# Altium PCB 2-quilter-output.PcbDoc (part 13 of 26)
Units mil, origin at the board's own origin, x right, y up, seen from the top; angles counter-clockwise.
Board outline 4130.55 x 4250 mil, 8 copper layers (L1, Ground L2, L3, Power L4, Ground L5, L6, Ground L7, L8), stack 62.985 mil thick; 591 components, 494 nets, 2245 pads, 1508 vias.
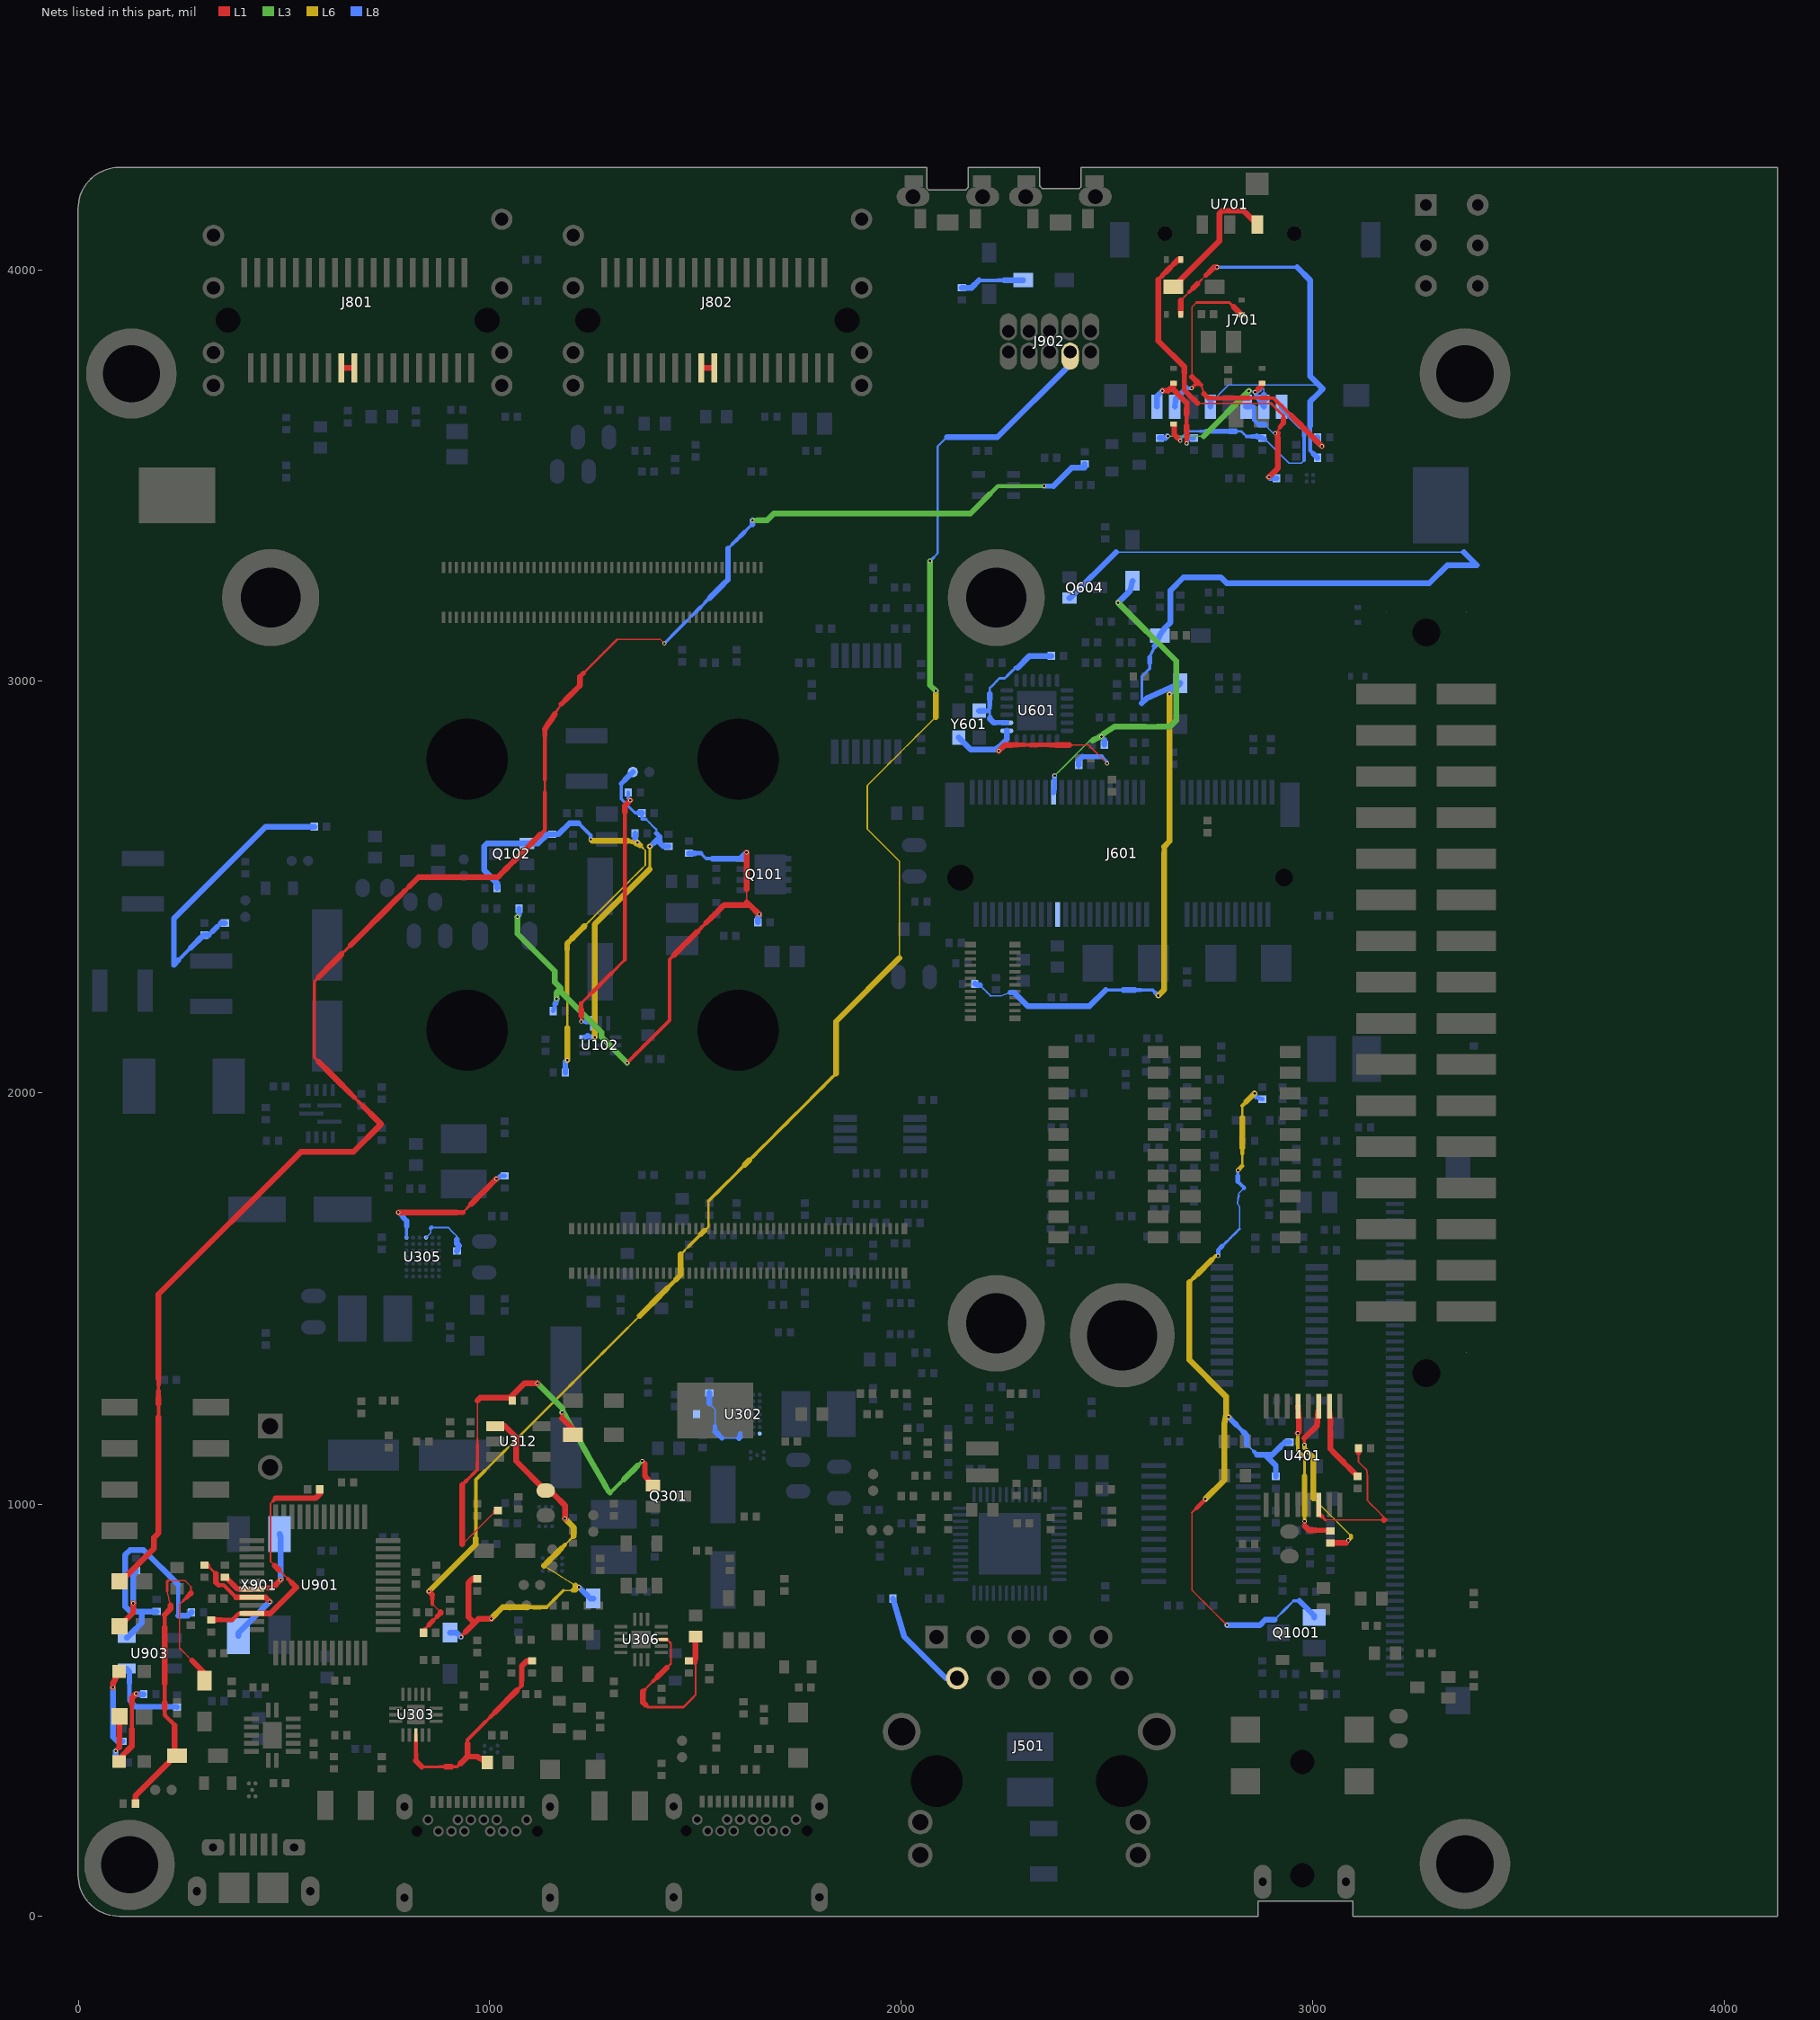
[diagram p19: the nets of this part, all layers, seen from the top]

## Via types
v1: diameter 9.85, hole 5.91, L1 to L8, tented both sides, 1508 vias

## Nets (pads, with @x,y where several pads share a name; then routed paths per layer and width w, separated by ;. In a path a pad name is that pad's centre, name@x,y a point inside that pad or via, vN(x,y) a via of type N, cw(c..) or ccw(c..) an arc to the next point about the centre after c; other vN are vias at no path point) (continued)
NetC118_2: C118.2 R110.2 R111.1 U102.3 | length 841.5
  L6 w6.9: 1389.04,2543.58 1389.04,2557.34 1389.04,2571.09 1389.04,2584.85 v1(1389.04,2598.61)
  L6 w14.05: v1(1255.18,2135.41) 1255.18,2409.72 1389.04,2543.58
  L8 w4.85: 1379.38,2665.14 1388.46,2656.06 1396.94,2647.58 1405.42,2639.1 1405.42,2630.49
  L8 w6.9: 1319.96,2751.34 1319.96,2738.86 1319.96,2726.37 1319.96,2713.88 1328.44,2705.4 1336.92,2696.92 1345.4,2688.44 1353.88,2679.96 C118.2@1361.02,2679.96
  L8 w7.92: C118.2@1370.02,2679.96 1370.02,2665.14 1379.38,2665.14
  L8 w10.99: v1(1389.04,2598.61) v1@1390.5,2598.61
  L8 w12.01: U102.3@1231.24,2135.04 U102.3@1237.54,2138.79 ; 1319.96,2751.34 1329.36,2760.74 ; v1@1390.5,2598.61 1398.3,2606.41 ; 1405.42,2630.49 1413.9,2622.01 ; 1406.1,2614.21 1413.9,2622.01 ; 1413.9,2610.4 1413.9,2622.01
  L8 w14.05: U102.3@1237.54,2138.79 1240.93,2135.41 v1(1255.18,2135.41) ; 1329.36,2760.74 1338.76,2770.15 R111.1@1348.16,2779.55 ; C118.2@1361.02,2679.96 C118.2@1370.02,2679.96 ; 1398.3,2606.41 1406.1,2614.21 ; 1413.9,2610.4 1413.9,2607.26 1422.39,2598.78 R110.2@1434.54,2598.78
NetC122_1: C122.1 U102.4 | length 637.5
  L1 w6.9: 1222.49,2217.14 1233.13,2227.78 1243.77,2238.42 ; 1307.6,2302.25 1318.24,2312.89 1328.88,2323.53
  L1 w7.92: v1(1222.49,2172.82) 1222.49,2187.6 ; 1296.96,2291.61 1307.6,2302.25
  L1 w9.96: 1243.77,2238.42 1254.41,2249.06 1265.05,2259.7 1275.69,2270.33 1286.32,2280.97 1296.96,2291.61 ; 1328.88,2323.53 1328.88,2339.12 1328.88,2354.71 1328.88,2370.3 1328.88,2385.89 1328.88,2401.48 1328.88,2417.08 1328.88,2432.67 1328.88,2448.26 1328.88,2463.85 1328.88,2479.44 1328.88,2495.03 1328.88,2510.62 1328.88,2526.21 1328.88,2541.8 1328.88,2557.39 1328.88,2572.98 1328.88,2588.57 1328.88,2604.16 1328.88,2619.75 1328.88,2635.34 1328.88,2650.93 1328.88,2666.53 1328.88,2682.12
  L1 w10.99: 1222.49,2202.37 1222.49,2217.14
  L1 w14.05: 1222.49,2187.6 1222.49,2202.37 ; 1328.88,2682.12 1328.88,2697.71 v1(1341.9,2710.72)
  L8 w8.94: v1(1222.49,2172.82) 1234.53,2172.83 ; C122.1@1336.83,2729.76 1336.83,2715.79 v1(1341.9,2710.72)
  L8 w14.05: 1234.53,2172.83 1246.57,2172.83 U102.4@1248.96,2168.5
NetC138_2: C138.2 C159.2 Q101.4 R125.2 R129.1 | length 1429
  L1 w3.5: 1624.27,2464.35 1624.27,2479.34 1624.27,2494.33
  L1 w7.92: 1437.4,2176.27 1437.4,2191.06 1437.4,2205.86 1437.4,2220.65 1437.4,2235.45 1437.4,2250.24 1437.4,2265.04 1437.4,2279.83 1437.4,2294.63 1437.4,2309.42 1437.4,2324.22 1448.55,2335.37 ; 1515.45,2402.27 1526.28,2413.09
  L1 w8.94: v1(1334.16,2073.02) 1344.49,2083.35 1354.81,2093.67 1365.13,2104 1375.46,2114.32 1385.78,2124.64 1396.11,2134.97 1406.43,2145.29 1416.76,2155.62 1427.08,2165.94 1437.4,2176.27
  L1 w9.96: 1504.3,2391.12 1515.45,2402.27
  L1 w12.01: 1624.27,2464.35 1632.23,2456.38
  L1 w13.03: 1526.28,2413.09 1537.1,2423.91
  L1 w14.05: 1448.55,2335.37 1459.7,2346.52 1470.85,2357.67 1482,2368.82 1493.15,2379.97 1504.3,2391.12 ; 1537.1,2423.91 1547.92,2434.73 1558.74,2445.55 1569.56,2456.38 1632.23,2456.38 1654.77,2433.85 v1(1655.34,2433.85) ; 1624.27,2494.33 1624.27,2509.32 1624.27,2524.32 1624.27,2539.31 1624.27,2554.3 1624.27,2569.29 v1(1624.27,2584.29)
  L3 w14.05: v1(1067.46,2428.15) 1067.46,2386.32 1158.4,2295.37 1158.4,2268.78 1172.86,2254.32 ; v1(1162.38,2228.6) 1162.38,2243.84 1172.86,2254.32 ; v1(1334.16,2073.02) 1271.56,2135.63 1271.56,2146.91 1172.86,2245.61 1172.86,2254.32
  L8 w7.92: 1513.37,2582.18 1520,2575.55 1526.63,2568.92
  L8 w8.94: C138.2@1156.87,2206.91 1159.62,2216.08 ; 1526.63,2568.92 1541.28,2568.92
  L8 w10.99: C138.2@1154.36,2198.5 C138.2@1156.87,2206.91 ; 1498.83,2582.18 1513.37,2582.18
  L8 w13.03: 1599.84,2568.92 Q101.4@1610.85,2568.92
  L8 w14.05: v1@1067.46,2428.16 1071.42,2432.12 R125.2@1071.42,2447.52 ; 1159.62,2216.08 v1@1162.37,2225.26 ; v1@1162.38,2225.26 v1(1162.38,2228.6) ; R129.1@1484.31,2582.17 1498.83,2582.18 ; 1541.28,2568.92 1555.92,2568.92 1570.56,2568.92 1585.2,2568.92 1599.84,2568.92 ; Q101.4@1610.85,2568.92 1610.85,2570.87 v1(1624.27,2584.29) ; C159.2@1652.02,2414.32 1652.03,2426.49 1655.34,2429.8 v1(1655.34,2433.85)
NetC145_1: C145.1 Q102.1 R131.2 R133.1 R134.2 | length 1209.5
  L6 w3.83: 1241.3,2415.96 1251.84,2426.51 1262.39,2437.05 1272.94,2447.6 1283.48,2458.14 1294.03,2468.69 1304.57,2479.23 1315.12,2489.78 1325.66,2500.33 1336.21,2510.87 1346.75,2521.42 1357.3,2531.96 1367.85,2542.51 1378.39,2553.05 1378.39,2565.02 1378.39,2576.98 1378.39,2588.95 1372.22,2595.12
  L6 w4.85: 1188.57,2158.48 1188.57,2174.23 1188.57,2189.98 1188.57,2205.73 1188.57,2221.48 ; 1230.75,2405.41 1241.3,2415.96 ; 1366.06,2601.28 1372.22,2595.12
  L6 w5.87: 1188.57,2221.48 1188.57,2237.23
  L6 w7.92: v1(1245.66,2615.72) v1@1248.62,2612.76
  L6 w9.96: 1345.98,2609.53 v1@1355.69,2606.29
  L6 w10.99: 1188.57,2237.23 1188.57,2252.98 1188.57,2268.73 1188.57,2284.48 1188.57,2300.23 1188.57,2315.98 1188.57,2331.73 1188.57,2347.48 ; 1336.26,2612.76 1345.98,2609.53
  L6 w13.03: 1188.57,2347.48 1188.57,2363.23 1199.12,2373.78
  L6 w14.05: v1(1188.57,2079.73) 1188.57,2095.48 1188.57,2111.23 1188.57,2126.98 1188.57,2142.73 1188.57,2158.48 ; 1199.12,2373.78 1209.66,2384.32 1220.21,2394.87 1230.75,2405.41 ; v1@1248.62,2612.76 1336.26,2612.76 ; v1(1359.12,2608.19) 1357.23,2606.29 1355.69,2606.29 1361.32,2604 1366.04,2601.29
  L8 w8.94: 1215.84,2655.34 1225.77,2645.4 1235.71,2635.46 1245.65,2625.53 v1@1245.65,2615.73
  L8 w9.96: 1183.87,2075.03 v1(1188.57,2079.73)
  L8 w14.05: R133.1@1018,2497.33 1018.01,2507.32 1018.01,2509.45 986.58,2540.88 986.58,2599.08 993.36,2605.85 1090.48,2605.85 1117.91,2605.85 1140.35,2628.29 1142.52,2628.29 C145.1@1152.53,2628.3 1167.09,2628.29 1194.14,2655.34 1215.84,2655.34 ; R134.2@1183.88,2049.08 1183.87,2075.03 ; R131.2@1353.43,2630.14 1353.42,2613.89 v1(1359.12,2608.19)
NetC160_1: C160.1 R135.2 R136.1 | length 711.6
  L8 w8.94: 242.66,2321.61 252.88,2331.83 263.1,2342.06 273.33,2352.28
  L8 w10.99: 316.79,2382.95 326.62,2392.79 ; 336.46,2402.62 C160.1@346.29,2412.46
  L8 w14.05: 232.42,2311.39 232.42,2423.45 455.69,2646.73 R136.1@573.76,2646.74 ; 232.43,2311.39 242.66,2321.61 ; 273.33,2352.28 283.55,2362.51 293.77,2372.73 304,2382.95 R135.2@306.52,2382.96 316.79,2382.95 ; 326.62,2392.79 336.46,2402.62 ; C160.1@346.3,2412.46 C160.1@356.28,2412.48
NetC315_1: C315.1 U302.A6
NetC316_1: C316.1 U302.A3 | length 176
  L8 w3.5: 1534.06,1244.46 1540.82,1237.69 1547.16,1231.35 ; 1564.05,1160.91 1578.95,1160.91 1593.86,1160.91 1605.84,1160.91
  L8 w3.83: 1547.16,1231.35 1547.97,1228.85 1547.97,1216.56 1547.97,1203.37 1547.97,1190.18
  L8 w9.96: U302.A3@1608.77,1171.4 U302.A3@1609.14,1171.76
  L8 w10.99: 1547.97,1176.99 1547.97,1190.18 ; 1608.77,1163.83 U302.A3@1608.77,1171.4
  L8 w12.01: 1556.01,1168.95 1564.05,1160.91
  L8 w14.05: 1534.06,1244.46 1534.06,1261.65 C316.1@1534.06,1270.65 ; 1547.97,1176.99 1556.01,1168.95 ; 1605.84,1160.91 1608.77,1163.83
NetC319_1: C319.1 R349.2 U303.3 | length 561.4
  L1 w6.9: 835.11,361.96 849.44,361.96 863.77,361.96 878.1,361.96
  L1 w7.92: 878.1,361.96 892.43,361.96 ; 906.77,361.96 921.1,361.96 928.45,369.31 ; 989.92,471.48 1000.92,482.47 ; 1066.89,548.45 1077.89,559.44
  L1 w8.94: 945.94,417.58 945.94,427.5 956.94,438.49 967.93,449.49 978.93,460.48 989.92,471.48
  L1 w9.96: 820.77,392.9 820.77,408.37 820.77,423.84 U303.3@820.76,439.33 ; 1000.92,482.47 1011.91,493.47
  L1 w10.99: 820.77,377.43 820.77,392.9
  L1 w12.01: 1077.89,559.44 1077.89,571.28
  L1 w13.03: 1011.91,493.47 1022.91,504.46 ; 1077.89,571.28 1077.89,583.12
  L1 w14.05: 820.77,377.43 820.77,376.29 835.1,361.96 ; 892.43,361.96 906.77,361.96 ; 928.45,369.31 935.79,376.66 945.94,386.81 ; 945.94,417.58 945.94,407.67 945.94,386.81 ; C319.1@994.24,372.33 969.66,386.8 945.95,386.8 ; 1022.91,504.46 1033.91,515.46 1044.9,526.46 1055.9,537.45 1066.89,548.45 ; 1077.89,583.12 1077.89,594.96 1077.89,606.8 1090.59,619.51 R349.2@1102.77,619.51
NetC330_1: C330.1 U305.A6 | length 364.4
  L1 w4.85: 935,1709.5 945.21,1719.71
  L1 w6.9: 945.21,1719.71 955.42,1729.92
  L1 w12.01: 919.32,1709.5 935,1709.5
  L1 w14.05: v1(778.24,1709.5) 793.92,1709.5 809.59,1709.5 825.27,1709.5 840.95,1709.5 856.62,1709.5 872.3,1709.5 887.97,1709.5 903.65,1709.5 919.32,1709.5 ; 955.42,1729.92 965.63,1740.12 975.84,1750.33 986.05,1760.54 996.26,1770.75 1006.47,1780.96 v1(1016.68,1791.17)
  L8 w7.92: U305.A6@797.98,1648.08 797.99,1661.77 797.99,1675.46 ; v1(1016.68,1791.17) v1@1019.39,1791.17
  L8 w9.96: v1(778.24,1709.5) 788.26,1699.48
  L8 w10.99: v1@1019.39,1791.17 1026.43,1798.21 C330.1@1036.41,1798.22
  L8 w13.03: 788.26,1699.48 797.99,1689.16 797.99,1675.46
NetC333_1: C333.1 U305.A3 | length 139.4
  L8 w3.5: 848.78,1651.63 856.46,1659.31
  L8 w3.83: 856.46,1659.31 856.46,1670.47 ; 858.72,1672.73 872.16,1672.73 ; 885.59,1672.73 899.03,1672.73 909.34,1662.41 919.66,1652.1 919.66,1643.13
  L8 w4.85: U305.A3@845.22,1648.08 848.78,1651.63 ; 872.16,1672.73 885.59,1672.73
  L8 w9.96: 856.46,1670.47 858.72,1672.73
  L8 w14.05: 919.66,1643.13 919.66,1634.16 925.12,1628.69 C333.1@920.29,1615.6
NetC335_1: C335.1 R350.2 U306.3 | length 502.6
  L1 w3.83: 1500.9,567.49 1500.9,582.85 1500.9,598.22 1500.9,613.59
  L1 w4.85: 1376.61,549.11 1387.26,559.77 1397.92,570.43 ; 1429.9,602.4 1440.56,613.06 1440.56,625.28 1440.56,637.49 1440.56,649.71 1440.56,661.92 U306.3@1431.32,671.16 ; 1471.11,506.96 1481.04,516.89 1490.97,526.82 1500.9,536.75 1500.9,552.12 1500.9,567.49
  L1 w5.87: 1378.58,512.85 1384.47,506.96 1398.91,506.96 1413.35,506.96 1427.79,506.96 1442.23,506.96 1456.67,506.96 1471.11,506.96
  L1 w6.9: 1498.74,615.74 1500.9,613.59
  L1 w9.96: 1372.7,545.2 1376.61,549.11 ; 1397.92,570.43 1408.58,581.09 ; U306.3@1417.4,671.15 U306.3@1431.32,671.16
  L1 w12.01: 1496.1,618.4 1498.74,615.75 1500.37,625.11
  L1 w14.05: 1372.7,545.2 1372.7,518.74 1378.58,512.85 ; 1408.58,581.09 1419.24,591.75 1429.9,602.4 ; R350.2@1484.31,619.51 1487.99,618.4 1496.1,618.4 ; 1500.37,625.11 1500.37,677.4 C335.1@1500.89,678.77
NetC339_1: C339.1 D308.C D309.C R355.1 U312.1 | length 1117.1
  L1 w7.92: v1(930.5,677.45) 930.5,679.17 941.34,690.01
  L1 w14.05: 941.34,690.01 952.18,700.85 963.02,711.69 ; R355.1@970.06,818.73 957.92,818.72 948.63,809.43 948.63,726.09 962.96,711.75 963.02,711.69 ; v1(1003.69,721.98) 973.31,721.98 963.02,711.69 ; U312.1@1013.49,1190 1037.12,1190 1064.34,1162.77 1064.34,1104.8 C339.1@1135.95,1033.18 1156.98,1023.31 1182.94,997.35 1182.94,980.95 v1(1182.94,965.19)
  L6 w3.5: 1131.85,850.35 1145.1,842.08 1158.35,833.81 1171.59,825.54 1184.84,817.27 1198.09,809 1208.43,802.54
  L6 w3.83: 1179.03,790.49 1190.07,790.49 1201.1,790.49 ; 1183.69,902.2 1194.06,912.57
  L6 w5.87: 1194.06,912.57 1204.43,922.94
  L6 w7.92: 1138.48,749.94 1148.62,760.08 1158.76,770.21 1168.9,780.35 1179.03,790.49
  L6 w8.94: 1092.7,749.94 1107.96,749.94 ; 1123.22,749.94 1138.48,749.94
  L6 w9.96: 1173.33,891.84 1183.69,902.2
  L6 w10.99: 1107.96,749.94 1123.22,749.94 ; 1208.43,797.81 1201.1,790.49 1208.71,790.49 v1(1217,798.78)
  L6 w14.05: v1(1003.69,721.98) 1031.65,749.94 1046.92,749.94 1062.18,749.94 1077.44,749.94 1092.7,749.94 ; 1131.85,850.36 1142.22,860.73 1152.59,871.1 1162.96,881.47 1173.33,891.84 ; v1(1182.94,965.19) 1204.44,943.68 1204.44,922.95 ; 1208.43,797.81 1208.43,802.54
  L8 w13.03: v1(1217,798.78) 1226.27,789.51
  L8 w14.05: D309.C@903.71,687.95 920.01,687.95 v1(930.5,677.45) ; 1226.27,789.51 1235.54,780.24 1244.81,770.97 D308.C@1252.07,770.96
NetC401_1: C401.1 U401.2 | length 198.4
  L1 w10.99: U401.2@3041.26,1238.52 U401.2@3042.35,1223.5
  L1 w13.03: U401.2@3042.35,1223.5 3043.43,1208.5 ; 3043.43,1178.83 3043.43,1193.67 ; 3076.71,1101.03 3087.81,1089.93
  L1 w14.05: 3043.43,1178.83 3043.43,1163.99 3043.43,1149.15 3043.43,1134.32 3054.52,1123.22 3065.62,1112.12 3076.71,1101.03 ; 3043.43,1193.67 3043.43,1208.5 ; 3087.81,1089.93 3098.91,1078.84 C401.1@3109.98,1067.75
NetC404_2: C404.2 U401.14 | length 395.7
  L1 w3.5: 3031.58,961.6 3045.79,961.6 3060,961.6 3074.2,961.6 3088.41,961.6 3102.62,961.6 3116.83,961.6 3131.04,961.6 3145.25,961.6 3159.46,961.6 3173.67,961.6 ; 3111.81,1125.98 3111.81,1114.57 3111.81,1103.15 3121.85,1093.11 3131.89,1083.08 3133.78,1068.22 3133.78,1053.35 3133.78,1038.48 3133.78,1023.6 3133.78,1008.73
  L1 w3.83: 3133.78,1008.73 3143.2,999.31 3152.62,989.89 3162.05,980.46 3171.47,971.04 3180.89,961.62 3173.68,961.61
  L1 w5.87: 3022.96,970.22 3031.58,961.6
  L1 w10.99: U401.14@3014.99,988.67 3014.34,978.84 3022.96,970.22
  L1 w12.01: U401.14@3014.99,988.67 U401.14@3015.65,998.5
  L1 w14.05: 3111.81,1125.98 C404.2@3111.81,1136
NetC405_1: C405.1 U401.5 | length 366.7
  L1 w7.92: 2980.82,947.68 v1(2980.82,958.57)
  L1 w12.01: 3007.22,936.77 3020.42,936.77 3033.62,936.77 C405.1@3043.63,934.94
  L1 w14.05: v1(2964.22,1172.86) 2967.47,1176.11 2967.47,1208.5 U401.5@2964.46,1238.52 ; 2980.82,947.67 2991.72,936.77 2994.02,936.77 3007.22,936.77
  L6 w5.87: 2980.82,1083.29 2980.82,1098.88 2980.82,1114.47
  L6 w6.9: 2980.82,1067.7 2980.82,1083.29
  L6 w7.92: v1(2980.82,958.57) 2980.82,974.16
  L6 w8.94: 2964.22,1145 2964.22,1131.07 2972.52,1122.77 2980.82,1114.47 ; 2964.22,1158.93 v1(2964.22,1172.86)
  L6 w9.96: 2964.22,1145 2964.22,1158.93
  L6 w14.05: 2980.82,974.16 2980.82,989.75 2980.82,1005.34 2980.82,1020.93 2980.82,1036.52 2980.82,1052.11 2980.82,1067.7
NetC405_2: C405.2 U401.3 | length 435
  L1 w6.9: v1(2980.41,1144.53) 2980.41,1152.53
  L1 w7.92: 2980.41,1152.53 2980.41,1160.52
  L1 w8.94: 3081.56,906.52 v1(3087.5,912.46)
  L1 w10.99: U401.3@3014.35,1226.52 U401.3@3015.65,1238.5
  L1 w14.05: 2980.41,1160.53 3010.46,1190.58 3011.76,1202.56 3013.06,1214.54 U401.3@3014.35,1226.52 ; C405.2@3043.63,905.42 3048.93,906.52 3081.56,906.52
  L6 w3.5: 3002.49,1014.65 3012.89,1004.26 3023.11,994.03 3033.34,983.81 3043.56,973.59 3053.78,963.36 3064.01,953.14 3074.23,942.92 3084.45,932.7 3094,923.15
  L6 w8.94: v1(3087.5,912.46) 3094,918.96
  L6 w9.96: 3094,918.96 3094,923.15
  L6 w10.99: v1(2980.41,1144.53) 2980.41,1136.44 2991.54,1125.31 3002.49,1114.36
  L6 w14.05: 3002.49,1014.65 3002.49,1114.36
NetC613_1: C613.1 U601.1 Y601.1 | length 551.2
  L1 w3.5: 2455.65,2845.37 2464.61,2836.41 2473.56,2827.46 2482.52,2818.5 2491.47,2809.55 v1(2500.43,2800.59)
  L1 w3.83: 2408.73,2845.37 2424.37,2845.37 2440.01,2845.37 2455.65,2845.37
  L1 w8.94: 2299.24,2845.37 2314.88,2845.37
  L1 w10.99: 2283.6,2845.37 2299.24,2845.37 ; 2330.52,2845.37 2346.17,2845.37 2361.81,2845.37
  L1 w12.01: 2314.88,2845.37 2330.52,2845.37 ; 2361.81,2845.37 2377.45,2845.37
  L1 w13.03: 2267.96,2845.37 2283.6,2845.37
  L1 w14.05: v1(2237.76,2830.81) 2252.32,2845.37 2267.96,2845.37 ; 2377.45,2845.37 2393.09,2845.37 2408.73,2845.37
  L8 w7.92: 2487.94,2816.89 2494.18,2810.65 v1@2500.43,2804.4
  L8 w8.94: v1(2500.43,2800.59) v1@2500.43,2804.4
  L8 w12.01: v1@2234.38,2834.19 v1(2237.76,2830.81) ; 2440.3,2816.89 2452.21,2816.89 2464.12,2816.89 2476.03,2816.89 2487.94,2816.89
  L8 w14.05: Y601.1@2139.84,2863.25 2140.08,2863.34 2169.22,2834.2 2227.85,2834.2 ; v1@2234.38,2834.19 2227.85,2834.19 ; U601.1@2256.95,2879.65 2256.95,2859 2240.63,2842.68 2227.85,2834.19 ; C613.1@2431.67,2796.14 2431.67,2808.27 2440.3,2816.89
NetC614_1: C614.1 U601.2 Y601.3 | length 328.8
  L8 w5.87: 2212.86,2928.25 2215.52,2925.59 ; 2215.52,2934.09 2215.52,2925.59 ; 2215.52,2969.85 2215.52,2983.48 2223.46,2991.43 2231.4,2999.37 2239.35,3007.31 2252.32,3007.31 ; 2215.8,2912.31 2215.8,2925.3 2215.52,2925.59
  L8 w6.9: 2252.32,3007.31 2260.69,3015.68 2269.05,3024.04 2278.33,3033.33
  L8 w9.96: 2278.33,3033.33 2283.72,3033.33
  L8 w10.99: 2215.52,2934.09 2215.52,2942.59
  L8 w12.01: Y601.3@2201.35,2928.25 2212.86,2928.25 ; 2215.52,2942.59 2215.52,2956.22 ; 2229.52,2899.31 2243.24,2899.31 U601.2@2256.95,2899.33
  L8 w13.03: 2215.8,2908.99 2215.8,2912.31 ; 2225.49,2899.31 2229.52,2899.31
  L8 w14.05: Y601.3@2189.84,2928.25 Y601.3@2201.35,2928.25 ; 2215.52,2956.22 2215.52,2969.85 ; 2215.8,2908.99 2225.49,2899.31 ; 2283.72,3033.33 2312.16,3061.77 C614.1@2365.33,3061.78
NetC902_1: C902.1 R904.2 U901.46 | length 610.1
  L1 w3.83: 473.69,1008.44 467.21,1001.95 467.21,986.31 467.21,970.67 467.21,955.02 467.21,939.38 467.21,923.74 467.21,908.09 467.21,892.45 467.21,876.81 467.21,861.16 477.67,850.7 ; 498.59,829.78 509.05,819.32
  L1 w4.85: 488.13,840.24 498.59,829.78
  L1 w8.94: 473.69,1008.44 480.18,1014.93
  L1 w9.96: 374.43,719.11 382.32,727.01 390.22,734.9 U901.46@400.94,734.9 ; 509.05,819.32 519.51,808.86
  L1 w10.99: 346.88,719.11 360.66,719.11 374.43,719.11
  L1 w12.01: 333.11,719.11 346.88,719.11
  L1 w14.05: C902.1@323.11,719.12 333.11,719.11 ; U901.46@400.94,734.9 411.67,734.9 U901.46@422.4,734.89 452.4,734.9 466.49,734.9 529.98,798.39 ; 477.67,850.7 488.13,840.24 ; 480.18,1014.93 577.38,1014.93 586.69,1024.24 R904.2@586.7,1036.39 ; 519.51,808.86 529.97,798.4
NetC907_1: C907.1 U901.43 X901.1 | length 267.6
  L1 w12.01: U901.43@447.64,795.68 460.26,796.52
  L1 w13.03: C907.1@358.25,823.01 367.92,813.34 377.58,803.67 387.25,794 U901.43@398.97,794 ; U901.43@435.02,794.84 U901.43@447.64,795.68
  L1 w14.05: C907.1@356.28,822.41 C907.1@358.25,823.01 ; U901.43@398.97,794 410.68,794 U901.43@422.4,793.99 U901.43@435.02,794.84 ; 460.26,796.52 472.88,797.36 v1(491.89,816.37)
  L8 w14.05: X901.1@489.23,927.84 491.89,920.82 v1(491.89,816.37)
NetC908_1: C908.1 U901.44 X901.3 | length 322.6
  L1 w6.9: C908.1@313.62,851.93 324.23,841.31 334.5,831.04
  L1 w9.96: 340.96,804.02 353.49,804.02 363.4,794.11 373.31,784.2 383.22,774.29
  L1 w12.01: 334.5,810.48 340.96,804.02
  L1 w13.03: 454.38,774.29 v1(465.34,763.34)
  L1 w14.05: C908.1@306.52,851.93 C908.1@313.62,851.93 ; 334.5,810.48 334.5,831.04 ; 383.22,774.29 392.4,774.29 U901.44@422.4,774.29 454.38,774.29
  L8 w14.05: X901.3@389.23,679.8 389.23,687.24 451.99,749.99 v1(465.34,763.34)
NetC917_1: C917.1 U903.4 | length 202.3
  L8 w10.99: 124.26,564.92 124.26,550.96 124.26,537 124.26,523.04 131.73,515.57
  L8 w13.03: 124.26,564.92 124.26,578.88 ; 224.29,508.1 C917.1@238.44,508.1
  L8 w14.05: U903.4@117.71,600.55 124.26,592.84 124.26,578.88 ; 131.73,515.57 139.2,508.1 139.39,508.1 153.54,508.1 167.69,508.1 181.84,508.1 195.99,508.1 210.14,508.1 224.29,508.1 ; C917.1@238.44,508.1 C917.1@240.16,506.98
NetC918_1: C918.1 R928.1 U903.5 | length 566.2
  L8 w9.96: 242.92,729.22 242.92,744.38 242.92,759.54 242.92,774.7 242.92,789.86 242.92,805.02
  L8 w14.05: U903.5@117.71,675.35 129.92,687.36 154.45,711.89 154.45,725.57 154.45,739.25 ; C918.1@190.4,739.4 190.25,739.25 167.35,739.25 154.45,739.25 ; 242.92,729.21 266.83,729.21 R928.1@275.17,737.56 ; 242.92,805.02 158.97,888.97 125.89,888.97 114.15,877.23 114.15,751.49 126.38,739.25 154.45,739.25